# Altium PCB PCB1.PcbDoc (part 2 of 2)
Units mm, origin at the board's own origin, x right, y up, seen from the top; angles counter-clockwise.
Board outline 338.07 x 271.78 mm, 2 copper layers (Top Layer, Bottom Layer); 325 components, 244 nets, 1138 pads, 26 vias.
Unrouted connection lines stored in the file: 636.
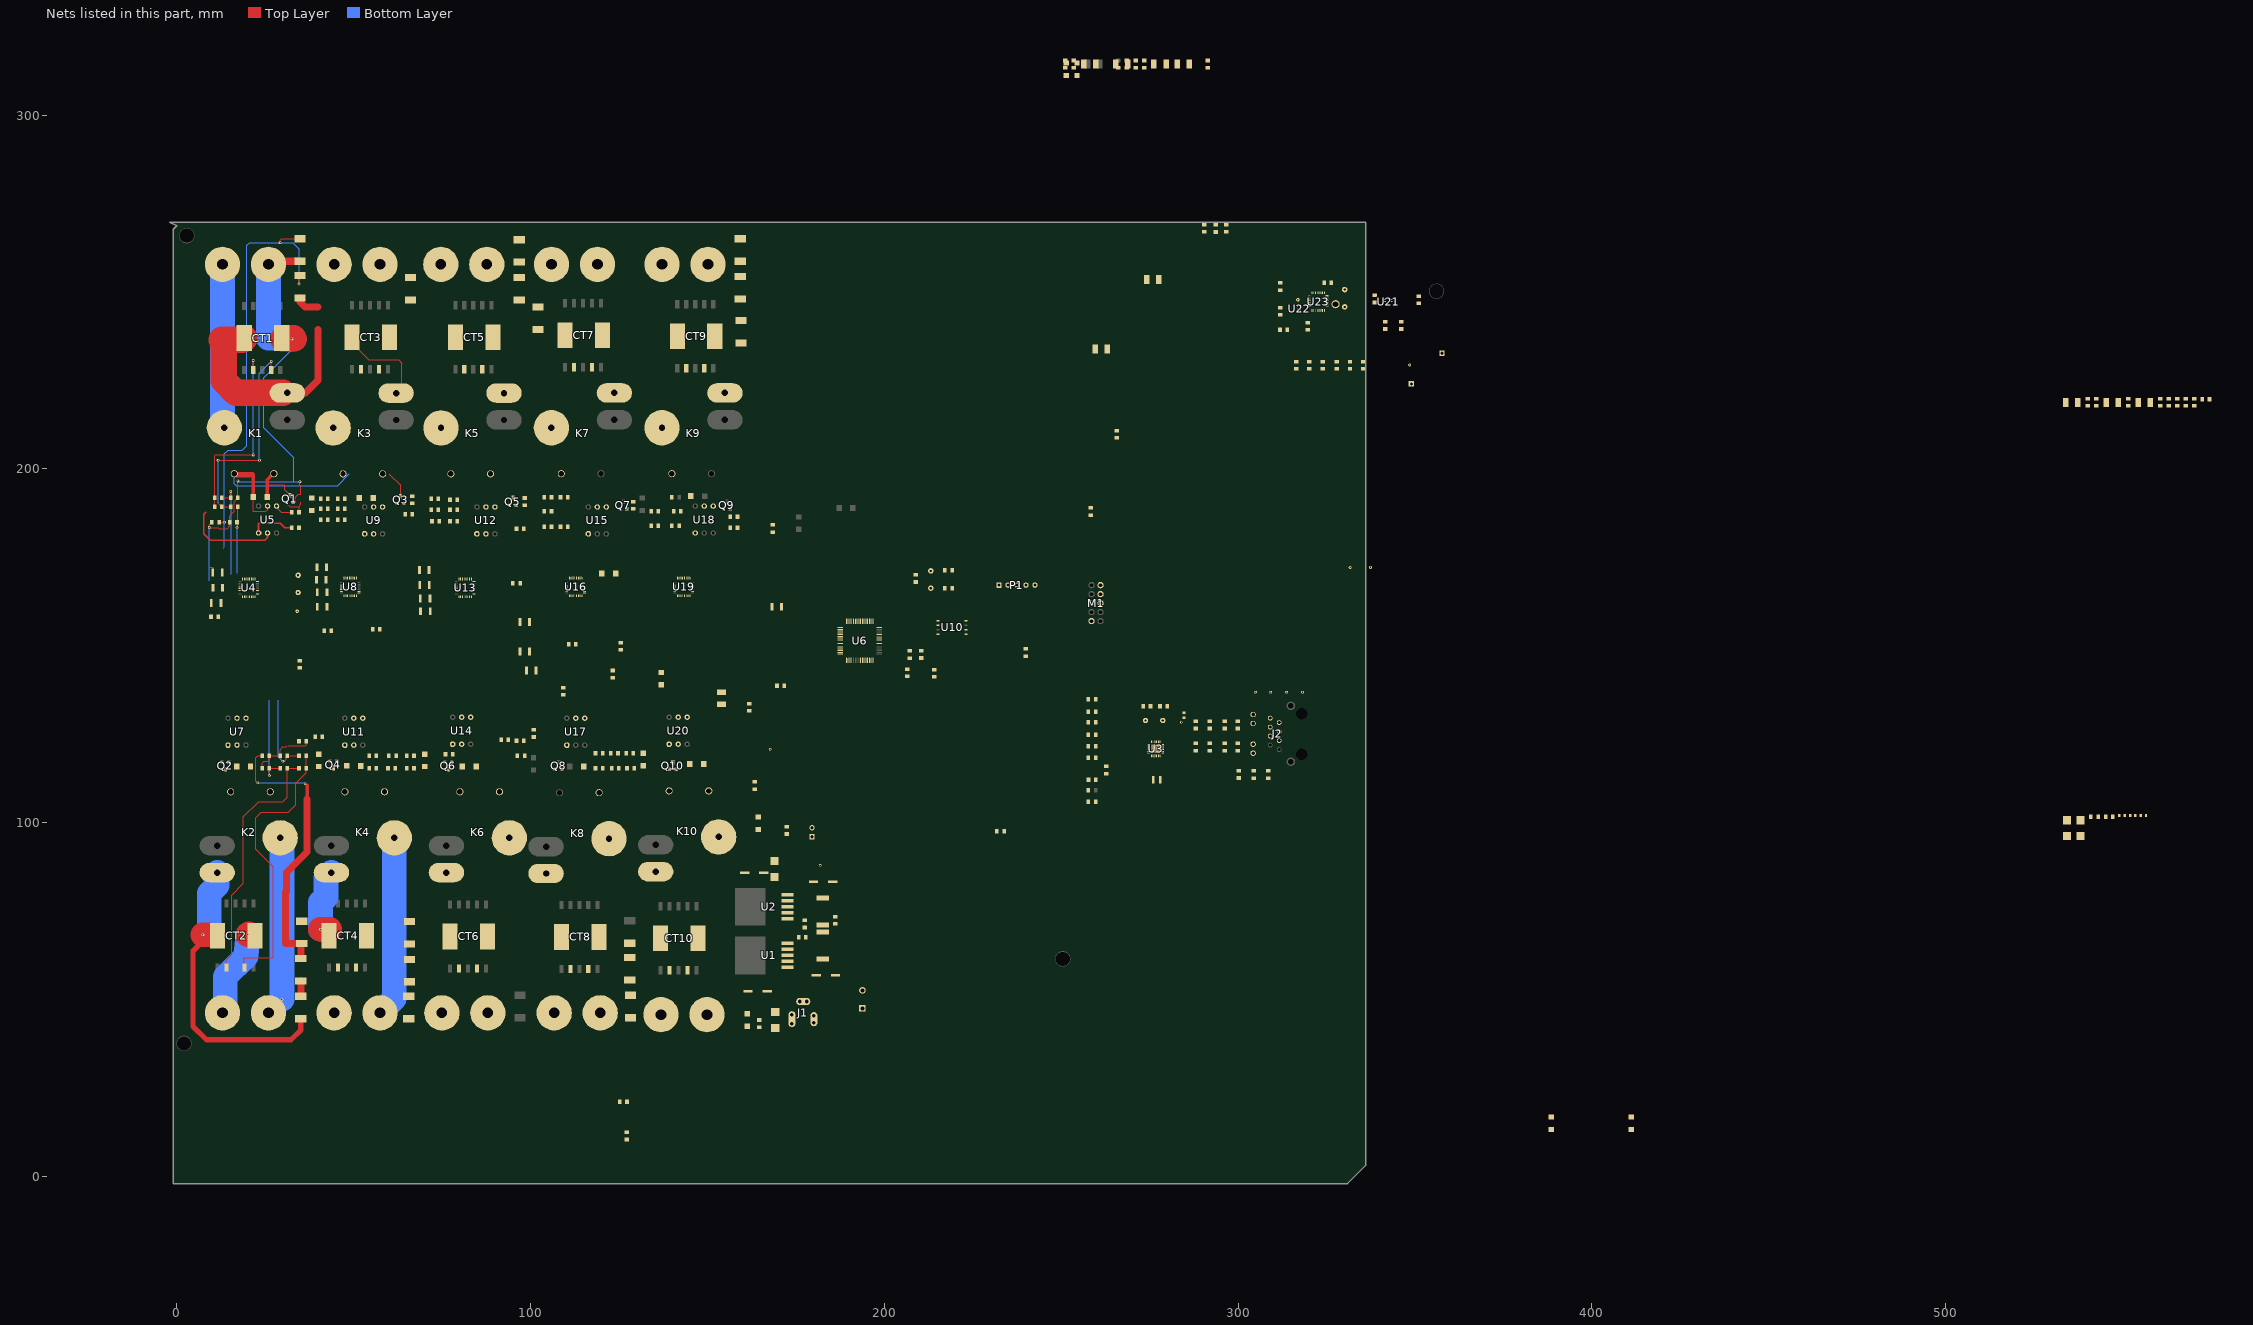
[diagram p2: the nets of this part, all layers, seen from the top]

## Part data
BT1: "Multicell Battery"
C1 C2 C3 C4: library part 94SS685X0016ABP, "Solid Aluminum Capacitor with Organic Semiconductor Electrolyte: 6.8uF, 16V, Bulk Pack"
C5 C6 C8 C10 C12 C13 C14 C15 C16 C17 C18 C19 C23 C24 C25 C26 C27 C28 C29 C30 C31 C32 C33 C34 C35 C36 C37 C38 C39 C40 C43 C45 C46 C47 C48 C49 C50 C54 C55 C56 C57 C58 C59 C63 C64 C65 C66 C67 C68 C72 C73 C74 C75 C76 C77 C78 C79 C80 C81 C82 C83 C84 C85 C86: library part 0805C-18PF-50V-C0G-JOH, "CAPACITOR 0805 CERAMIC"
C7 C9 C11 C20 C21 C22 C41 C42 C44 C51 C52 C53 C60 C61 C62 C69 C70 C71: library part "Cap Pol3", "Polarized Capacitor (Surface Mount)"
CT1 CT2 CT3 CT4 CT5 CT6 CT7 CT8 CT9 CT10: library part CurrentTransf
D1 D2: library part "Diode 1N4007", "1 Amp General Purpose Rectifier"
D3 D5: library part "D Schottky", "Schottky Diode"
D4 D6 D8 D10 D12 D14 D15 D16 D16 D18 D18 D20 D20 D22: "Typical RED, GREEN, YELLOW, AMBER GaAs LED"
D7 D9 D11 D13 D15 D17 D17 D19 D19 D21: library part "Diode 1N4001", "1 Amp General Purpose Rectifier"
E1 E2: library part Antenna, "Generic Antenna"
J1: "Low Voltage Power Supply Connector"
J2: library part 74990112116A, "RJ45 LAN Transformer, 10/100 Base-T"
J3 J4 J5 J6 J7 J8 J9 J10 J11 J12: library part TermBlock-2
K1 K2 K3 K4 K5 K6 K7 K8 K9 K10: "Single-Pole Dual-Throw Relay"
L1 L2: library part Inductor, "Inductor"
L3: library part 1U-1239AS-TOKO, "1239AS-H-1R0N"
M1: library part "ESP 8266"
P1: "Header, 5-Pin"
Q1 Q2 Q3 Q4 Q5 Q6 Q7 Q8 Q9 Q10: "BC847 SMALL SIGNAL NPN TRANSISTOR"
R1 R7: "Resistor"
R2 R3 R4 R5 R6 R8 R9 R10 R11 R12 R13 R14 R15 R16 R17 R18 R19 R20 R21 R22 R23 R24 R25 R26 R27 R28 R29 R30 R31 R32 R33 R34 R35 R36 R37 R38 R39 R40 R41 R42 R43 R44 R45 R46 R47 R48 R49 R50 R51 R52 R53 R54 R55 R56 R57 R58 R59 R60 R61 R62 R63 R64 R65 R66 R67 R68 R69 R70 R71 R72 R73 R74 R75 R76 R77 R77 R78 R78 R79 R79 R80 R80 R81 R81 R82 R83 R84 R85 R86 R87 R88 R89 R90 R91 R92 R93 R94 R95 R96 R97 R98 R99 R100 R101 R102 R103 R104 R105 R106 R107 R108 R109 R110 R111 R112 R113 R114 R115: library part Res3, "Resistor"
S1: "Single-Pole, Single-Throw Switch"
TP1 TP2 TP3 TP4 TP5 TP6 TP7 TP8 TP9 TP10 TP23 TP24 TP25: "TESTPOINT SCOPE GRABBER"
U5 U7 U9 U11 U12 U14 U15 U17 U18 U20: library part Optoisolator2, "5 Pin Mini Flat Pack Optocoupler"
U6: library part PIC32MX534F064F
U22: "currTrans"
U23: "AVR Low Power 2.4 GHz Transceiver, 32-Pin QFN Pkg, Industrial Temp (-40 to +85 degC), Tape and Reel, Pb-Free, Halogen-Free, 5000 pcs"
Y1: library part CRYSTAL-GENERIC, "GENERIC CRYSTAL"
Y2 Y3 Y4: library part XTAL, "Crystal Oscillator"

## Free pads (board coordinates)
  oval 4.3x4.4 hole 4: 1(2.032,37.592) 1(2.794,265.938) 1(250.444,61.468) 1(356.108,250.19)

## Via types
v1: diameter 0.8, hole 0.4, Top Layer to Bottom Layer, 22 vias
v2: diameter 0.66, hole 0.33, Top Layer to Bottom Layer, tented top, 4 vias

## Nets (pads, with @x,y where several pads share a name; then routed paths per layer and width w, separated by ;. In a path a pad name is that pad's centre, name@x,y a point inside that pad or via, vN(x,y) a via of type N, cw(c..) or ccw(c..) an arc to the next point about the centre after c; other vN are vias at no path point)
GND: BT1.2 C1.2 C2.2 C3.2 C4.2 C5.2 C6.2 C7.2 C8.2 C9.2 C10.2 C11.2 C12.2 C13.2 C14.2 C15.2 C16.2 C17.2 C18.2 C19.2 C20.2 C22.2 C23.1 C24.1 C25.2 C26.1 C27.2 C28.1 C29.1 C30.2 C31.1 C32.1 C33.1 C34.2 C35.1 C36.2 C37.2 C38.2 C39.1 C40.2 C41.2 C43.1 C44.2 C45.2 C46.1 C47.1 C48.1 C49.2 C50.1 C51.2 C53.2 C54.1 C55.2 C56.1 C57.1 C58.2 C59.1 C60.2 C62.2 C63.1 C64.2 C65.1 C66.1 C67.2 C68.1 C69.2 C71.2 C72.1 C73.2 C75.1 C76.2 C77.1 C78.1 C79.2 C80.2 C81.2 C82.1 C83.1 C84.1 C85.1 C86.1 CT1.12 CT2.12 CT3.12 CT4.12 CT5.12 CT6.12 CT7.12 CT8.12 CT9.12 CT10.12 D3.1 D4.2 D5.1 D6.2 J1.2 J1.2A J1.2B J1.3 J1.3A J1.3B J3.2 J4.2 J5.2 J6.2 J7.2 J8.2 J9.2 J10.2 J11.2 J12.2 M1.5 P1.5 Q1.E Q2.E Q3.E Q4.E Q5.E Q6.E Q7.E Q8.E Q9.E Q10.E R4.1 R7.1 R19.1 R28.2 R37.1 R38.2 R44.1 R50.2 R52.1 R62.2 R63.1 R69.1 R73.2 R76.1 R81.2@268.801,314.43 R83.2 R85.1 R94.1 R98.1 R105.2 R106.1 R112.2 U1.3 U1.5 U2.3 U2.5 U3.25 U4.10 U4.16 U4.20 U4.25 U4.26 U6.9 U6.20 U6.25 U6.41 U8.10 U8.16 U8.20 U8.25 U8.26 U10.4 U13.10 U13.16 U13.20 U13.25 U13.26 U16.10 U16.16 U16.20 U16.25 U16.26 U19.10 U19.16 U19.20 U19.25 U19.26 U21.2 U22.2 U22.5 U23.3 U23.6 U23.7 U23.12 U23.16 U23.18 U23.21 U23.27 U23.30 U23.31 U23.32 | length 197.2
  Top Layer w0.254: 9.146,172.21 10.266,172.21 ; C31.1@9.906,184.912 9.144,184.15 v1(9.144,183.388) 11.684,183.388 11.938,183.134 14.224,183.134 14.986,183.896 C25.2@14.986,184.912 14.986,186.69 16.256,187.96 16.256,190.754 C23.1@17.272,191.77 v1(17.272,196.596) ; C35.1@24.13,115.316 24.13,116.84 24.638,117.348 25.908,117.348 26.162,117.602 C39.1@26.162,118.872 C37.2@29.21,118.872 29.21,120.65 29.972,121.412 30.988,121.412 31.242,121.666 ; J3.2@25.908,257.81 J3.2@26.797,258.699 ; 31.496,121.666 36.322,121.666 36.576,121.92 R44.1@36.576,122.936 ; Q1.E@32.944,190.5 33.528,191.084 33.528,192.024 34.29,192.786 35.052,192.786 35.052,195.326 34.798,195.58 v1(34.798,196.342)
  Top Layer w2: J3.2@26.797,258.699 R28.2@34.798,258.699
  Top Layer w7: v1(20.066,68.326) 20.574,68.326 CT2.12@20.32,68.58 ; CT1.12@29.904,236.728 v1(32.512,236.728) ; 33.02,237.236 v1(32.512,236.728) ; 33.274,236.728 v1(32.512,236.728) ; J6.2@43.688,46.99 J6.2@44.45,46.228
  Bottom Layer w0.254: 9.144,168.402 9.144,172.212 ; v1(9.144,183.388) 9.144,172.212 ; 9.146,172.21 9.144,172.212 ; v1(17.272,196.596) 17.526,196.342 33.02,196.342 ; v1(32.512,236.728) 32.512,233.68 24.638,225.806 24.638,211.582 33.02,203.2 33.02,196.342 ; v1(34.798,196.342) 33.02,196.342
  Bottom Layer w7: J4.2@12.908,46.228 13.716,47.036 13.716,56.388 19.558,62.23 v1(20.066,68.326) ; J3.2@25.908,257.81 25.908,236.982 33.02,236.982 v1(32.512,236.728)
NetBT1_1: BT1.1 D2.1 R1.2
NetC1_1: C1.1 C3.1 D1.2 D2.2 U1.1 U2.1
NetC5_1: C5.1 C6.1 C7.1 L3.2 R9.2 R10.2 R11.2 R12.2 U3.1 U3.19
NetC10_1: C10.1 C11.1 U3.6
NetC12_1: C12.1 J2.1 R9.1 TP3.1 U3.21
NetC13_1: C13.1 J2.3 R10.1 TP4.1 U3.20
NetC14_1: C14.1 J2.4 R11.1 TP5.1 U3.23
NetC15_1: C15.1 J2.6 R12.1 TP6.1 U3.22
NetC17_1: C17.1 R18.1 U3.15
NetC18_1: C18.1 Y1.1
NetC19_1: C19.1 TP7.1 U3.4 Y1.2
NetC20_1: C20.1 U4.27
NetC21_2: C21.2 U4.22
NetC22_1: C22.1 U4.21
NetC23_2: C23.2 R22.2 U4.11 | length 27.8
  Top Layer w0.25: R22.2@12.7,191.77 C23.2@15.24,191.77 v1(15.24,193.628)
  Bottom Layer w0.25: 15.24,170.18 v1(15.24,193.628)
NetC25_1: C25.1 R24.2 U4.12 | length 18.9
  Top Layer w0.254: v1(17.018,183.388) C25.1@17.018,184.912 17.272,185.166 R24.2@17.272,189.23
  Bottom Layer w0.254: 17.018,170.434 v1(17.018,183.388)
NetC30_1: C30.1 R29.2 U6.40 Y2.2
NetC31_2: C31.2 R27.1 R28.1 U4.9 | length 126.6
  Top Layer w0.254: C31.2@11.938,184.912 v1(13.462,184.912) ; v1(29.21,263.906) 29.21,264.668 29.591,265.049 R28.1@34.798,265.049 ; v1(34.544,252.222) R27.1@34.544,254.381
  Bottom Layer w0.254: 13.208,177.546 13.462,177.8 v1(13.462,184.912) 13.462,204.216 14.478,205.232 18.542,205.232 19.812,206.502 19.812,263.144 20.574,263.906 v1(29.21,263.906) 32.766,263.906 34.544,262.128 v1(34.544,252.222)
NetC34_1: C34.1 U6.56
NetC35_2: C35.2 R31.2 U4.13 | length 26.4
  Top Layer w0.25: v1(26.162,113.284) C35.2@26.162,115.316 R31.2@29.21,115.316
  Bottom Layer w0.25: v1(26.162,113.284) 26.162,134.62
NetC36_1: C36.1 R29.1 U6.39 Y2.1
NetC37_1: C37.1 R34.2 U4.14 | length 23.4
  Top Layer w0.25: v1(29.972,117.348) 30.48,117.348 30.988,117.856 30.988,118.618 C37.1@31.242,118.872 R34.2@34.544,118.872
  Bottom Layer w0.25: 28.702,134.62 28.702,118.618 v1(29.972,117.348)
NetC38_1: C38.1 R40.2 U4.3 Y3.2
NetC39_2: C39.2 R36.1 R38.1 U4.15 | length 79.3
  Top Layer w0.254: v1(22.86,111.252) 22.352,111.76 22.352,118.364 22.86,118.872 C39.2@24.13,118.872 ; v1(36.322,110.998) 36.83,110.49
  Top Layer w1: 36.83,106.68 36.83,110.49
  Top Layer w2: R36.1@35.052,61.595 R38.1@35.052,65.532 ; R38.1@35.306,65.786 30.734,65.786 30.734,80.328 30.988,80.582 30.988,85.852 36.83,91.694 36.83,106.68
  Bottom Layer w0.254: v1(22.86,111.252) 36.068,111.252 v1(36.322,110.998)
NetC40_1: C40.1 R40.1 TP10.1 U4.2 Y3.1
NetC41_1: C41.1 U8.27
NetC42_2: C42.2 U8.22
NetC43_2: C43.2 R42.2 U8.11
NetC44_1: C44.1 U8.21
NetC45_1: C45.1 R45.2 U8.12
NetC46_2: C46.2 R47.1 R50.1 U8.9
NetC47_2: C47.2 P1.4 R49.1 U6.7
NetC48_2: C48.2 R53.2 U8.13
NetC49_1: C49.1 R56.2 U8.14
NetC50_2: C50.2 R58.1 R62.1 U8.15
NetC51_1: C51.1 U13.27
NetC52_2: C52.2 U13.22
NetC53_1: C53.1 U13.21
NetC54_2: C54.2 R65.2 U13.11
NetC55_1: C55.1 R68.2 U13.12
NetC56_2: C56.2 R71.1 R73.1 U13.9
NetC57_2: C57.2 R75.2 U13.13
NetC58_1: C58.1 R78.2@251.148,315.446 U13.14
NetC59_2: C59.2 R81.1@265.372,314.43 U13.15
NetC60_1: C60.1 U16.27
NetC61_2: C61.2 U16.22
NetC62_1: C62.1 U16.21
NetC63_2: C63.2 U16.11
NetC64_1: C64.1 U16.12
NetC65_2: C65.2 R82.1 R83.1 U16.9
NetC66_2: C66.2 R86.2 U16.13
NetC67_1: C67.1 R89.2 U16.14
NetC68_2: C68.2 R92.1 R93.1 U16.15
NetC69_1: C69.1 U19.27
NetC70_2: C70.2 U19.22
NetC71_1: C71.1 U19.21
NetC72_2: C72.2 R97.2 U19.11
NetC73_1: C73.1 R101.2 U19.12
NetC74_2: C74.2 R103.1 R105.1 U19.9
NetC75_2: C75.2 R107.2 U19.13
NetC76_1: C76.1 R109.2 U19.14
NetC77_2: C77.2 R111.1 R112.1 U19.15
NetC78_2: C78.2 U23.28
NetC79_1: C79.1 U23.29
NetC80_1: C80.1 U23.26 Y4.1
NetC81_1: C81.1 TP23.1 U23.25 Y4.2
NetC82_2: C82.2 R113.2 U21.4
NetC83_2: C83.2 R114.1 U21.6
NetC84_2: C84.2 R115.1 U23.8
NetC85_2: C85.2 U23.13 U23.14
NetC86_2: C86.2 U23.15
NetCT1_2: CT1.2 R22.1 R23.2 | length 54.9
  Top Layer w0.25: R23.2@10.668,189.23 R22.1@10.668,191.77 10.668,199.136 10.668,203.708 10.922,203.962 v1(21.59,203.962) ; CT1.2@21.59,227.942 v1(21.59,230.642)
  Bottom Layer w0.25: v1(21.59,203.962) v1(21.59,230.642)
NetCT1_4: CT1.4 R23.1 R24.1 | length 60
  Top Layer w0.254: 11.43,190.5 R23.1@12.7,189.23 R24.1@15.24,189.23 ; v1(11.684,202.438) v1(23.368,202.438) ; CT1.4@26.67,227.942 v1(26.67,230.378)
  Bottom Layer w0.254: 11.43,190.5 11.684,190.5 v1(11.684,202.438) ; v1(23.368,202.438) 23.368,227.076 v1(26.67,230.378)
NetCT1_11: CT1.11 K1.2 R26.2 | length 62.2
  Top Layer w2: K1.2@29.926,221.488 29.946,221.468 K1.2@31.242,221.468 36.302,221.468 39.878,225.044 39.878,239.395
  Top Layer w7.5: CT1.11@19.05,236.982 18.542,236.474 12.7,236.474 13.208,235.966 13.208,225.044 16.764,221.488 K1.2@29.926,221.488
NetCT2_2: CT2.2 R31.1 R32.2 | length 70.7
  Top Layer w0.254: CT2.2@14.038,59.032 14.038,61.282 15.494,62.738 15.494,79.502 18.796,82.804 18.796,101.6 23.114,105.918 29.972,105.918 31.242,107.188 R31.1@31.242,115.316 R32.2@34.544,115.316
NetCT2_4: CT2.4 R32.1 R34.1 | length 80.4
  Top Layer w0.254: CT2.4@19.118,59.032 19.118,61.79 27.246,61.79 27.246,87.562 22.352,92.456 22.352,101.346 23.876,102.87 31.496,102.87 33.631,105.005 33.631,111.101 36.576,114.046 R32.1@36.576,115.316 R34.1@36.576,118.872
NetCT2_11: CT2.11 K2.2 R35.2 | length 85.3
  Top Layer w1.5: CT2.11@9.974,68.326 9.144,68.326 4.572,63.754 4.572,42.418 8.382,38.608 32.258,38.608 35.052,41.402 R35.2@35.052,44.577
  Top Layer w7: v1(7.366,68.326) 9.144,68.326
  Bottom Layer w7: 9.144,68.326 9.144,80.01 11.416,82.282 K2.2@11.416,85.872
NetCT3_2: CT3.2 R42.1 R43.2
NetCT3_4: CT3.4 R43.1 R45.1
NetCT3_11: CT3.11 K3.2 R46.2 | length 26.8
  Top Layer w0.254: CT3.11@49.53,237.236 49.53,235.48 54.204,230.806 62.689,230.806 63.603,229.892 63.603,221.422 K3.2@63.774,221.422
NetCT4_2: CT4.2 R53.1 R54.2
NetCT4_4: CT4.4 R54.1 R56.1
NetCT4_11: CT4.11 K4.2 R57.2 | length 19.8
  Top Layer w7: v1(40.64,69.85) CT4.11@43.18,69.85
  Bottom Layer w7: v1(40.64,69.85) 40.64,77.47 42.164,78.994 42.164,84.338 K4.2@43.698,85.872
NetCT5_2: CT5.2 R65.1 R67.2
NetCT5_4: CT5.4 R67.1 R68.1
NetCT5_11: CT5.11 K5.2 R70.2
NetCT6_2: CT6.2 R75.1 R77.2@253.561,315.446
NetCT6_4: CT6.4 R77.1@253.561,313.414 R78.1@251.148,313.414
NetCT6_11: CT6.11 K6.2 R79.2@259.784,314.43
NetCT7_2: CT7.2 R77.1@266.181,313.414 R78.2@268.594,315.446
NetCT7_4: CT7.4 R78.1@268.594,313.414
NetCT7_11: CT7.11 K7.2 R81.2@286.247,314.43
NetCT8_2: CT8.2 R86.1 R88.2
NetCT8_4: CT8.4 R88.1 R89.1
NetCT8_11: CT8.11 K8.2 R91.2
NetCT9_2: CT9.2 R97.1 R99.2
NetCT9_4: CT9.4 R99.1 R101.1
NetCT9_11: CT9.11 K9.2 R102.2
NetCT10_2: CT10.2 R107.1 R108.2
NetCT10_4: CT10.4 R108.1 R109.1
NetCT10_11: CT10.11 K10.2 R110.2
NetD1_1: D1.1 R1.1 S1.2
NetD3_2: D3.2 L1.1 U1.2
NetD4_1: D4.1 R2.1
NetD5_2: D5.2 L2.1 U2.2
NetD6_1: D6.1 R5.1
NetD7_1: D7.1 K1.5 Q1.C | length 16.2
  Top Layer w0.254: 25.515,195.58 30.48,195.58 30.48,194.056 Q1.C@32.004,192.532 ; K1.5@27.178,198.628 K1.5@27.442,198.628
  Top Layer w1: D7.1@25.515,191.999 25.515,195.58 25.515,196.965 K1.5@27.178,198.628
NetD8_1: D8.1 U5.2 | length 26.7
  Top Layer w0.5: 8.128,187.734 7.62,187.226 7.62,181.61 9.398,179.832 24.892,179.832 25.654,180.594 U5.2@25.654,181.864
NetD8_2: D8.2 U6.59
NetD9_1: D9.1 K2.5 Q2.C | length 0.3
  Top Layer w0.5: K2.5@15.216,108.712 K2.5@15.494,108.712
NetD10_1: D10.1 U7.2
NetD10_2: D10.2 U6.58
NetD11_1: D11.1 K3.5 Q3.C | length 7.7
  Top Layer w0.254: 59.974,198.582 63.246,195.31 Q3.C@63.246,192.278
NetD12_1: D12.1 U9.2
NetD12_2: D12.2 U6.55
NetD13_1: D13.1 K4.5 Q4.C
NetD14_1: D14.1 U11.2
NetD14_2: D14.2 U6.54
NetD15_1: D15.1@254.453,311.221 R60.1
NetD16_1: D16.1@251.445,311.221 R61.1
NetD16_2: D16.2@251.445,314.721 U6.48
NetD17_1: D17.1@111.137,115.849 K8.5 Q8.C
NetD17_1: D17.1@124.067,170.409 K5.5 Q5.C
NetD18_1: D18.1@100.838,118.364 U17.2
NetD18_1: D18.1@136.906,138.938 U12.2
NetD18_2: D18.2@100.838,114.864 U6.47
NetD18_2: D18.2@136.906,142.438 U6.53
NetD19_1: D19.1@149.213,192.253 K9.5 Q9.C
NetD19_1: D19.1@84.582,115.824 K6.5 Q6.C
NetD20_1: D20.1@131.572,188.242 U18.2
NetD20_1: D20.1@70.104,119.352 U14.2
NetD20_2: D20.2@131.572,191.742 U6.21
NetD20_2: D20.2@70.104,115.852 U6.52
NetD21_1: D21.1 K10.5 Q10.C
NetD22_1: D22.1 U20.2
NetD22_2: D22.2 U6.18
NetE1_1: E1.1 U21.3
NetE2_1: E2.1 U21.1
NetJ1_1: J1.1 J1.1A J1.1B S1.1
NetJ2_9: J2.9 U3.3
NetJ2_10: J2.10 R20.2
NetJ2_11: J2.11 U3.2
NetJ2_12: J2.12 R21.2
NetJ3_1: J3.1 K1.1 | length 46.8
  Bottom Layer w7: K1.1@12.833,211.074 12.908,211.149 J3.1@12.908,257.81
NetJ4_1: J4.1 K2.1 | length 45.9
  Bottom Layer w7: K2.1@29.216,95.712 29.256,95.712 29.718,95.25 v1(29.718,50.038)
NetJ5_1: J5.1 K3.1
NetJ6_1: J6.1 K4.1 | length 51.3
  Bottom Layer w7: J6.1@57.45,46.228 57.45,46.182 61.468,50.2 61.468,95.682 K4.1@61.498,95.712
NetJ7_1: J7.1 K5.1
NetJ8_1: J8.1 K6.1
NetJ9_1: J9.1 K7.1
NetJ10_1: J10.1 K8.1
NetJ11_1: J11.1 K9.1
NetJ12_1: J12.1 K10.1
NetM1_7: M1.7 TP9.1 U6.51
NetM1_8: M1.8 TP8.1 U6.50
NetP1_2: P1.2 U6.16
NetP1_3: P1.3 U6.15
NetQ1_B: Q1.B R33.2 R37.2 | length 7.2
  Top Layer w0.25: Q1.B@31.039,190.5 31.039,190.195 32.004,189.23 34.544,189.23
  Top Layer w0.254: R33.2@34.544,187.706 34.544,189.23 34.544,189.484 35.052,189.992 35.052,190.5
NetQ2_B: Q2.B R41.2 R44.2 | length 0.1
  Top Layer w0.254: R44.2@34.544,122.936 R44.2@34.544,123.063
NetQ3_B: Q3.B R51.2 R52.2
NetQ4_B: Q4.B R59.2 R63.2
NetQ5_B: Q5.B R66.2 R69.2
NetQ6_B: Q6.B R74.2 R76.2
NetQ7_B: Q7.B R84.2 R85.2
NetQ8_B: Q8.B R90.2 R94.2
NetQ9_B: Q9.B R96.2 R98.2
NetQ10_B: Q10.B R104.2 R106.2
NetR3_1: R3.1 R4.2 U1.4
NetR6_1: R6.1 R7.2 U2.4
NetR8_1: R8.1 U3.12 U6.49
NetR13_1: R13.1 U3.8
NetR13_2: R13.2 U6.61
NetR14_1: R14.1 U3.7
NetR14_2: R14.2 U6.60
NetR15_1: R15.1 U3.11
NetR15_2: R15.2 U6.44
NetR16_1: R16.1 U3.10
NetR16_2: R16.2 U6.64
NetR17_2: R17.2 U3.14 U6.63
NetR19_2: R19.2 U3.24
NetR25_1: R25.1 U4.8 U8.8 U13.8 U16.8 U19.8
NetR26_1: R26.1 R27.2 | length 6.8
  Top Layer w2: R27.2@34.798,248.285 34.798,247.142 36.195,245.745 39.878,245.745
NetR30_2: R30.2 U5.1 | length 12.7
  Top Layer w0.5: U5.1@23.114,181.864 23.114,184.658 29.21,184.658 30.48,183.388 R30.2@32.512,183.388
NetR33_1: R33.1 U5.4 | length 5.4
  Top Layer w0.254: U5.4@28.194,189.484 28.194,188.976 29.464,187.706 R33.1@32.512,187.706
NetR35_1: R35.1 R36.2 | length 4.3
  Top Layer w2: R35.1@35.052,50.927 R36.2@35.052,55.245
NetR39_2: R39.2 U7.1
NetR41_1: R41.1 U7.4
NetR46_1: R46.1 R47.2
NetR48_2: R48.2 U9.1
NetR51_1: R51.1 U9.4
NetR55_2: R55.2 U11.1
NetR57_1: R57.1 R58.2
NetR59_1: R59.1 U11.4
NetR60_2: R60.2 U6.28
NetR61_2: R61.2 U6.42
NetR64_2: R64.2 U12.1
NetR66_1: R66.1 U12.4
NetR70_1: R70.1 R71.2
NetR72_2: R72.2 U14.1
NetR74_1: R74.1 U14.4
NetR79_1: R79.1@256.355,314.43
NetR80_2: R80.2@161.798,133.604 U15.1
NetR81_1: R81.1@282.818,314.43 R82.2
NetR84_1: R84.1 U15.4
NetR87_2: R87.2 U17.1
NetR90_1: R90.1 U17.4
NetR91_1: R91.1 R92.2
NetR95_2: R95.2 U18.1
NetR96_1: R96.1 U18.4
NetR100_2: R100.2 U20.1
NetR102_1: R102.1 R103.2
NetR104_1: R104.1 U20.4
NetR110_1: R110.1 R111.2
NetR113_1: R113.1 U23.9
NetR114_2: R114.2 U23.10
NetTP24_1: TP24.1 U22.4 U23.4
NetTP25_1: TP25.1 U22.3 U23.5
NetU3_13: U3.13 U6.30
NetU3_16: U3.16 U6.1
NetU3_17: U3.17 U6.2
NetU3_18: U3.18 U6.3
NetU4_1: U4.1 U8.2
NetU4_29: U4.29 U6.8
NetU4_30: U4.30 U6.4 U8.30 U13.30 U16.30 U19.30
NetU4_31: U4.31 U6.6 U8.31 U13.31 U16.31 U19.31
NetU4_32: U4.32 U6.5 U8.32 U13.32 U16.32 U19.32
NetU6_11: U6.11 U8.29
NetU6_12: U6.12 U13.29
NetU6_13: U6.13 U19.29
NetU6_14: U6.14 U16.29
NetU6_17: U6.17
NetU6_27: U6.27 U10.1
NetU6_29: U6.29 U10.6
NetU6_31: U6.31 U10.2
NetU6_32: U6.32 U10.5
NetU6_62: U6.62 U16.2 U23.19 U23.20 U23.22 U23.23 U23.24
NetU8_1: U8.1 U13.2
NetU13_1: U13.1
NetU16_1: U16.1 U19.2
NetU21_5: U21.5 U22.1
VCC=3.3V: C2.1 C16.1 C21.1 C24.2 C26.2 C27.1 C28.2 C29.2 C32.2 C33.2 C42.1 C52.1 C61.1 C70.1 J2.2 J2.5 L1.2 M1.6 P1.1 R2.2 R3.2 R18.2 R20.1 R21.1 R25.2 R30.1 R39.1 R48.1 R49.2 R55.1 R64.1 R72.1 R80.1@161.798,131.572 R87.1 R95.1 R100.1 R115.2 TP1.1 U4.23 U6.10 U6.19 U6.26 U6.38 U6.57 U8.23 U10.8 U13.23 U16.23 U19.23
VCC=5.0V: C4.1 D7.2 D9.2 D11.2 D13.2 D15.2@254.453,314.721 D17.2 D19.2 D21.2 K1.4 K2.4 K3.4 K4.4 K5.4 K6.4 K7.4 K8.4 K9.4 K10.4 L2.2 R5.2 R6.2 TP2.1 U5.5 U7.5 U9.5 U11.5 U12.5 U14.5 U15.5 U17.5 U18.5 U20.5 | length 58.2
  Top Layer w0.25: 21.336,198.374 21.59,198.12 ; D7.2@21.59,192.024 21.59,187.96 25.146,187.96 25.654,188.468 U5.5@25.654,189.484
  Top Layer w1: D7.2@21.59,192.024 21.59,198.12
  Top Layer w1.5: K1.4@16.242,198.628 16.51,198.628 16.764,198.374 21.336,198.374
  Bottom Layer w0.25: K1.4@16.242,198.628 K1.4@16.51,198.628
  Bottom Layer w0.254: K1.4@16.242,198.628 16.242,195.846 16.842,195.246 45.438,195.246 48.774,198.582
VDD=3.3V: C8.1 C9.1 L3.1 R8.2 U3.9
pads on no net: C74.1 CT1.1 CT1.3 CT1.5 CT1.6 CT1.7 CT1.8 CT1.9 CT1.10 CT2.1 CT2.3 CT2.5 CT2.6 CT2.7 CT2.8 CT2.9 CT2.10 CT3.1 CT3.3 CT3.5 CT3.6 CT3.7 CT3.8 CT3.9 CT3.10 CT4.1 CT4.3 CT4.5 CT4.6 CT4.7 CT4.8 CT4.9 CT4.10 CT5.1 CT5.3 CT5.5 CT5.6 CT5.7 CT5.8 CT5.9 CT5.10 CT6.1 CT6.3 CT6.5 CT6.6 CT6.7 CT6.8 CT6.9 CT6.10 CT7.1 CT7.3 CT7.5 CT7.6 CT7.7 CT7.8 CT7.9 CT7.10 CT8.1 CT8.3 CT8.5 CT8.6 CT8.7 CT8.8 CT8.9 CT8.10 CT9.1 CT9.3 CT9.5 CT9.6 CT9.7 CT9.8 CT9.9 CT9.10 CT10.1 CT10.3 CT10.5 CT10.6 CT10.7 CT10.8 CT10.9 CT10.10 D15.1@191.123,188.951 D15.2@187.198,188.976 D16.1@175.768,182.908 D16.2@175.768,186.408 J2. J2.7 J2.8 K1.3 K2.3 K3.3 K4.3 K5.3 K6.3 K7.3 K7.5 K8.3 K9.3 K10.3 M1.1 M1.2 M1.3 M1.4 M1.9 M1.10 Q7.C R17.1 R77.2@266.181,315.446 R79.1@257.545,314.43 R79.2@260.974,314.43 R80.1@97.028,51.181 R80.2@97.028,44.831 R93.2 U1.0 U2.0 U3.5 U4.4 U4.5 U4.6 U4.7 U4.17 U4.18 U4.19 U4.24 U4.28 U5.3 U5.6 U6.22 U6.23 U6.24 U6.33 U6.34 U6.35 U6.36 U6.37 U6.43 U6.45 U6.46 U7.3 U7.6 U8.3 U8.4 U8.5 U8.6 U8.7 U8.17 U8.18 U8.19 U8.24 U8.28 U9.3 U9.6 U10.3 U10.7 U11.3 U11.6 U12.3 U12.6 U13.3 U13.4 U13.5 U13.6 U13.7 U13.17 U13.18 U13.19 U13.24 U13.28 U14.3 U14.6 U15.2 U15.3 U15.6 U16.3 U16.4 U16.5 U16.6 U16.7 U16.17 U16.18 U16.19 U16.24 U16.28 U17.3 U17.6 U18.3 U18.6 U19.1 U19.3 U19.4 U19.5 U19.6 U19.7 U19.17 U19.18 U19.19 U19.24 U19.28 U20.3 U20.6 U22.6 U23.1 U23.2 U23.11 U23.17
copper on no net: | length 554
  Top Layer w0.25: 112.016,145.822 112.266,145.572 ; 223.134,155.776 223.134,155.796
  Top Layer w0.254: 8.128,191.996 8.128,205.232 8.636,205.74 24.13,205.74 ; 147.42,119.377 147.42,119.722 ; 263.874,246.17 265.842,252.18 ; 266.169,190.075 265.842,252.18 ; 266.515,124.285 266.842,62.18 ; 267.874,246.191 265.842,252.18
  Bottom Layer w0.254: -12.446,266.954 346.964,266.954 355.092,258.826 ; 8.89,6.096 8.986,6.192 ; 60.96,212.09 61.468,213.614 ; 60.96,222.758 61.468,221.234 ; 61.214,213.614 61.722,213.614 ; 61.214,221.234 61.722,221.234 ; 61.468,211.074 61.468,213.614 ; 61.468,223.774 61.468,221.234 ; 61.976,212.09 61.468,213.614 ; 61.976,222.758 61.468,221.234 ; 118.714,-2.382 119.126,-2.794 ; 296.164,37.846 296.418,38.1 ; 305.816,1.27 306.324,0.762 ; 307.34,11.176 307.594,10.922 ; 353.568,231.648 354.584,232.664
  other v2: 276.116,120.276 277.316,120.276 276.116,121.476 277.316,121.476

## Other copper
Top Layer:
  text "190.003 (mm)" at 265.842,252.18 h6
Bottom Layer:
  text "7.62 (mm)" at 65.125,211.178 h1.52 r90

## Silkscreen, mask and mechanical layers (free items; w line width, h text height)
Top Overlay:
  lines w0.254: -27.432,34.798 353.06,34.798 ; -12.22,40.334 -10.414,34.798 ; -10.767,264.744 -8.89,270.256 ; -10.668,34.8 -10.16,34.796 ; -9.851,121.749 -10.414,34.798 ; -9.453,183.305 -8.89,270.256 ; -9.144,270.258 -8.636,270.254 ; -8.537,40.31 -10.414,34.798 ; -7.084,264.72 -8.89,270.256 ; -6.35,113.792 280.162,113.792 ; -4.572,78.74 235.204,78.74 ; -3.81,39.624 353.06,39.624 ; -3.556,140.97 -3.048,139.446 ; -3.556,164.846 -3.048,166.37 ; -3.302,139.446 -2.794,139.446 ; -3.302,166.37 -2.794,166.37 ; -3.048,144.884 -3.048,139.446 ; -3.048,160.932 -3.048,166.37 ; -2.54,37.338 319.024,37.338 ; -2.54,56.134 232.918,56.134 233.172,55.88 ; -2.54,140.97 -3.048,139.446 ; -2.54,164.846 -3.048,166.37 ; -2.54,226.06 212.852,226.06 ; -1.778,129.54 339.344,129.54 339.598,129.794 ; -0.544,284.098 -0.541,275.59 ; 4.981,281.687 -0.542,279.844 ; 4.982,278.004 -0.542,279.844 ; 6.35,-26.162 6.35,273.558 ; 63.39,279.866 -0.542,279.844 ; 68.072,272.542 68.072,-17.272 68.58,-17.78 ; 99.314,-17.78 99.314,270.764 ; 124.027,279.886 187.96,279.908 ; 130.302,-21.59 130.302,271.526 ; 159.512,272.542 159.512,-5.588 169.672,-15.748 ; 182.435,281.747 187.96,279.908 ; 182.437,278.065 187.96,279.908 ; 187.959,284.162 187.961,275.654 ; 187.96,8.89 187.96,274.574
  text "188.502 (mm)" at 63.645,276.952 h5.52 r0.02
  text "26.924 (mm)" at -2.134,145.138 h1.52 r90
  text "C11" at 261.216,127.876 h1.2
  text "235.463 (mm)" at -6.936,121.984 h5.52 r89.63

## Text inside footprints (layer, text, board x,y; h text height)
BT1: Top Overlay "+" at 180.155,93.612 h1.15 r90
J2: Top Overlay "12" at 305.216,119.841 h0.5 r270; Top Overlay "11" at 305.216,122.341 h0.5 r270; Top Overlay "10" at 305.216,128.341 h0.5 r270; Top Overlay "9" at 305.216,130.591 h0.5 r270; Top Overlay "8" at 310.216,120.591 h0.5 r270; Top Overlay "7" at 307.716,122.091 h0.5 r270; Top Overlay "6" at 310.216,123.341 h0.5 r270; Top Overlay "5" at 307.716,124.591 h0.5 r270; Top Overlay "4" at 310.216,125.841 h0.5 r270; Top Overlay "3" at 307.716,127.091 h0.5 r270; Top Overlay "2" at 310.216,128.341 h0.5 r270; Top Overlay "1" at 307.716,129.591 h0.5 r270
M1: Top Overlay "ESP8266 Module" at 269.572,169.132 h1 r270
U22: Top Overlay "FB" at 315.838,245.773 h0.5 r270